# KiCad board q2.kicad_pcb (continued)
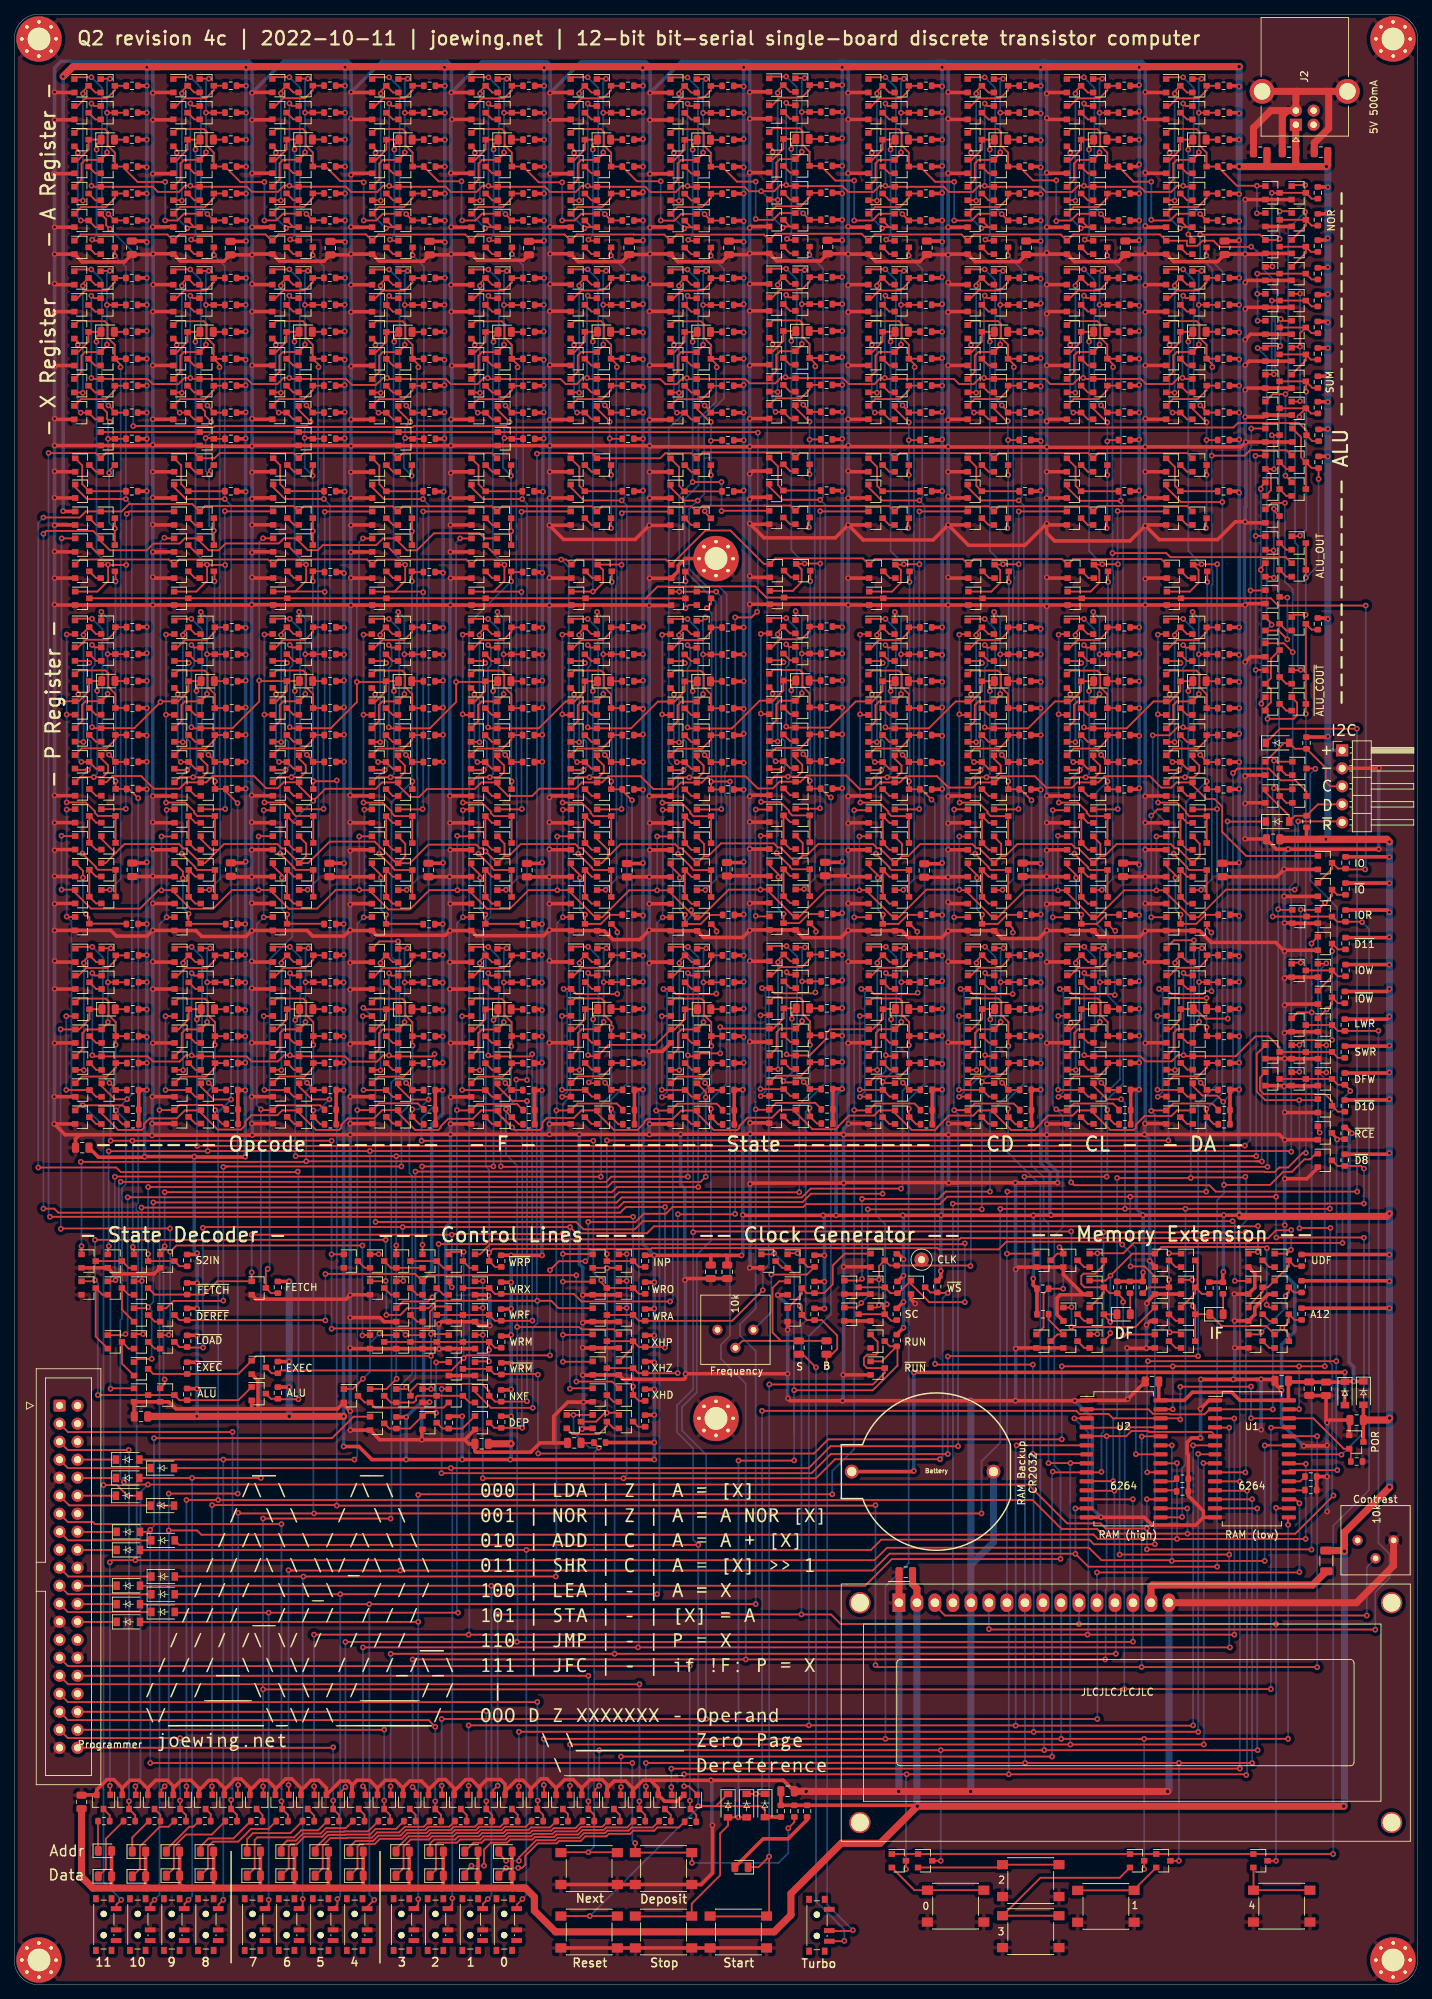
[diagram p0: board, top side]
## Routing (per net, layer and track width the routed paths; a pad name or vN(x,y) marks a point on that pad's centre or on a via; arc(x,y) is an arc through that point) (continued)
Net-(Q120-Pad2): length 2.1
  Top w0.25: Q121.3 25.54,179.16 Q120.2
Net-(Q122-Pad1): length 25.6
  Top w0.25: R54.2 Q128.3 28.29,172.64 v1(27.41,173.52) ; Q122.1 22.84,192.71 v1(24.99,192.71)
  Bottom w0.25: v1(24.99,192.71) 26.47,191.23 26.47,174.46 v1(27.41,173.52)
Net-(Q123-Pad2): length 2.1
  Top w0.25: Q126.3 25.54,186.76 Q123.2
Net-(Q124-Pad2): length 2.1
  Top w0.25: Q127.3 25.54,175.36 Q124.2
Net-(Q124-Pad3): length 8.8
  Top w0.25: Q129.1 23.54,174.41 27.04,174.41 28.29,175.66 Q124.3 R52.2
Net-(Q125-Pad2): length 14
  Top w0.25: Q128.2 25.54,171.56 Q129.3 v1(23.49,172.51) ; Q125.2 23.07,182.48 v1(23.07,182.06)
  Bottom w0.25: v1(23.07,182.06) 23.07,172.93 v1(23.49,172.51)
Net-(Q130-Pad1): length 22.6
  Top w0.25: R57.2 Q134.3 v1(27.22,141.42) ; 26.33,146.17 26.38,146.22 v1(27.62,146.22) ; Q138.1 23.62,131.97 23.62,134.26 24.14,134.77 Q131.1 27.22,135.67 v1(27.22,135.82)
  Bottom w0.25: v1(27.22,135.82) v1(27.22,141.42) 27.22,145.82 v1(27.62,146.22)
Net-(Q130-Pad2): length 19.8
  Top w0.25: Q130.2 25.58,144.27 Q133.3 23.83,144.42 v1(23.83,144.12) ; v1(23.83,129.02) 23.77,129.07 Q138.2
  Bottom w0.25: v1(23.83,129.02) v1(23.83,144.12)
Net-(Q130-Pad3): length 8.8
  Top w0.25: Q137.1 23.08,142.37 24.15,143.45 27.2,143.45 28.33,144.57 Q130.3 R55.2
Net-(Q131-Pad2): length 2.1
  Top w0.25: Q132.3 25.58,132.87 Q131.2
Net-(Q133-Pad1): length 25.6
  Top w0.25: R60.2 Q139.3 28.33,126.35 v1(27.44,127.24) ; 22.62,146.17 22.88,146.42 v1(25.02,146.42)
  Bottom w0.25: v1(25.02,146.42) 26.5,144.95 26.5,128.18 v1(27.44,127.24)
Net-(Q134-Pad2): length 2.1
  Top w0.25: Q137.3 25.58,140.47 Q134.2
Net-(Q135-Pad2): length 2.1
  Top w0.25: Q138.3 25.58,129.07 Q135.2
Net-(Q135-Pad3): length 8.8
  Top w0.25: 22.62,127.17 23.58,128.12 27.08,128.12 28.33,129.37 Q135.3 R58.2
Net-(Q136-Pad2): length 17.1
  Top w0.25: Q139.2 25.58,125.27 Q140.3 21.37,126.22 v1(21.35,126.25) ; Q136.2 22.6,136.65 v1(21.35,136.65)
  Bottom w0.25: v1(21.35,126.25) v1(21.35,136.65)
Net-(Q141-Pad2): length 2.1
  Top w0.25: Q141.2 39.5,121.45 Q142.3
Net-(Q143-Pad2): length 2.1
  Top w0.25: Q143.2 39.37,244.17 Q144.3
Net-(Q145-Pad1): length 22.6
  Top w0.25: v1(41.02,258.52) 41.02,258.37 Q146.1 37.94,257.47 37.42,256.95 37.42,254.67 Q153.1 ; v1(41.42,268.92) 40.17,268.92 Q145.1 ; v1(41.02,264.12) Q149.3 R66.2
  Bottom w0.25: v1(41.42,268.92) 41.02,268.52 v1(41.02,264.12) v1(41.02,258.52)
Net-(Q145-Pad2): length 19.8
  Top w0.25: v1(37.62,266.82) 37.62,267.12 Q148.3 39.37,266.97 Q145.2 ; Q153.2 37.57,251.77 v1(37.62,251.72)
  Bottom w0.25: v1(37.62,251.72) v1(37.62,266.82)
Net-(Q145-Pad3): length 8.8
  Top w0.25: R64.2 Q145.3 42.12,267.27 41,266.14 37.95,266.14 36.87,265.07 Q152.1
Net-(Q146-Pad2): length 2.1
  Top w0.25: Q146.2 39.37,255.57 Q147.3
Net-(Q148-Pad1): length 25.6
  Top w0.25: v1(41.22,249.82) Q154.3 R69.2 ; v1(38.82,269.12) 36.67,269.12 Q148.1
  Bottom w0.25: v1(41.22,249.82) 40.3,250.74 40.3,267.64 v1(38.82,269.12)
Net-(Q149-Pad2): length 2.1
  Top w0.25: Q149.2 39.37,263.17 Q152.3
Net-(Q150-Pad2): length 2.1
  Top w0.25: Q150.2 39.37,251.77 Q153.3
Net-(Q150-Pad3): length 8.8
  Top w0.25: R67.2 Q150.3 42.12,252.07 40.87,250.82 37.37,250.82 Q155.1
Net-(Q151-Pad2): length 16.3
  Top w0.25: v1(38.37,247.81) 38.53,247.97 Q154.2 39.37,247.97 Q155.3 ; v1(36.9,258.47) 36.9,258.89 Q151.2
  Bottom w0.25: v1(38.37,247.81) 36.9,249.28 v1(36.9,258.47)
Net-(Q156-Pad2): length 2
  Top w0.25: Q156.2 39.48,198.46 Q161.3
Net-(Q158-Pad2): length 2
  Top w0.25: Q158.2 39.48,202.16 Q162.3
Net-(Q159-Pad2): length 2
  Top w0.25: Q159.2 39.48,205.96 Q163.3
Net-(Q160-Pad2): length 2
  Top w0.25: Q160.2 39.48,213.46 Q164.3
Net-(Q164-Pad1): length 10.7
  Top w0.25: Q164.1 37.53,214.36 37.53,211.71 Q166.3 R71.2
Net-(Q167-Pad1): length 22.6
  Top w0.25: v1(41.01,231.4) 41.01,231.25 Q168.1 37.93,230.35 37.41,229.83 37.41,227.55 Q175.1 ; v1(41.41,241.8) 40.16,241.8 Q167.1 ; v1(41.01,237) Q171.3 R74.2
  Bottom w0.25: v1(41.41,241.8) 41.01,241.4 v1(41.01,237) v1(41.01,231.4)
Net-(Q167-Pad2): length 19.8
  Top w0.25: v1(37.61,239.7) 37.61,240 Q170.3 39.36,239.85 Q167.2 ; Q175.2 37.56,224.65 v1(37.61,224.6)
  Bottom w0.25: v1(37.61,224.6) v1(37.61,239.7)
Net-(Q167-Pad3): length 8.8
  Top w0.25: R72.2 Q167.3 42.11,240.15 40.99,239.02 37.94,239.02 36.86,237.95 Q174.1
Net-(Q168-Pad2): length 2.1
  Top w0.25: Q168.2 39.36,228.45 Q169.3
Net-(Q170-Pad1): length 25.6
  Top w0.25: v1(41.23,222.81) 42.11,221.93 Q176.3 R77.2 ; v1(38.81,242) 36.66,242 Q170.1
  Bottom w0.25: v1(41.23,222.81) 40.29,223.75 40.29,240.52 v1(38.81,242)
Net-(Q171-Pad2): length 2.1
  Top w0.25: Q171.2 39.36,236.05 Q174.3
Net-(Q172-Pad2): length 2.1
  Top w0.25: Q172.2 39.36,224.65 Q175.3
Net-(Q172-Pad3): length 8.8
  Top w0.25: R75.2 Q172.3 42.11,224.95 40.86,223.7 37.36,223.7 Q177.1
Net-(Q173-Pad2): length 14
  Top w0.25: v1(36.89,231.35) 36.89,231.77 Q173.2 ; v1(37.31,221.8) Q177.3 39.36,220.85 Q176.2
  Bottom w0.25: v1(37.31,221.8) 36.89,222.22 v1(36.89,231.35)
Net-(Q178-Pad2): length 2.1
  Top w0.25: Q179.3 39.44,167.74 Q178.2
Net-(Q180-Pad2): length 8
  Top w0.25: Q180.2 39.44,156.34 Q185.3 Q184.3 39.44,152.54 Q181.2
Net-(Q182-Pad2): length 8
  Top w0.25: Q183.2 39.44,163.94 Q187.3 Q186.3 39.44,160.14 Q182.2
Net-(Q185-Pad1): length 14.6
  Top w0.25: 43.72,149.64 43.66,149.69 Q188.3 38.5,149.7 v1(38.5,151) ; Q185.1 36.49,157.85 37.77,156.58 v1(37.77,156.2)
  Bottom w0.25: v1(38.5,151) 37.77,151.73 v1(37.77,156.2)
Net-(Q189-Pad1): length 23.9
  Top w0.25: R81.2 Q193.3 v1(41.06,187.72) ; 40.21,192.52 Q189.1 40.19,192.49 v1(40.19,193.69) ; Q197.1 37.46,178.27 37.46,180.55 37.98,181.07 Q190.1 41.06,181.97 v1(41.06,182.12)
  Bottom w0.25: v1(41.06,182.12) v1(41.06,187.72) 41.06,192.82 v1(40.19,193.69)
Net-(Q189-Pad2): length 19.8
  Top w0.25: Q189.2 39.41,190.57 Q192.3 37.66,190.72 v1(37.66,190.42) ; v1(37.66,175.32) 37.61,175.37 Q197.2
  Bottom w0.25: v1(37.66,175.32) v1(37.66,190.42)
Net-(Q189-Pad3): length 8.8
  Top w0.25: Q196.1 36.91,188.67 37.99,189.74 41.04,189.74 42.16,190.87 Q189.3 R79.2
Net-(Q190-Pad2): length 2.1
  Top w0.25: Q191.3 39.41,179.17 Q190.2
Net-(Q192-Pad1): length 25.6
  Top w0.25: R84.2 Q198.3 42.16,172.65 v1(41.28,173.53) ; Q192.1 36.71,192.72 v1(38.86,192.72)
  Bottom w0.25: v1(38.86,192.72) 40.34,191.24 40.34,174.47 v1(41.28,173.53)
Net-(Q193-Pad2): length 2.1
  Top w0.25: Q196.3 39.41,186.77 Q193.2
Net-(Q194-Pad2): length 2.1
  Top w0.25: Q197.3 39.41,175.37 Q194.2
Net-(Q194-Pad3): length 8.8
  Top w0.25: Q199.1 37.41,174.42 40.91,174.42 42.16,175.67 Q194.3 R82.2
Net-(Q195-Pad2): length 14
  Top w0.25: Q198.2 39.41,171.57 Q199.3 v1(37.36,172.52) ; Q195.2 36.94,182.49 v1(36.94,182.07)
  Bottom w0.25: v1(36.94,182.07) 36.94,172.94 v1(37.36,172.52)
Net-(Q200-Pad1): length 22.6
  Top w0.25: R87.2 Q204.3 v1(41.09,141.43) ; Q200.1 40.24,146.23 v1(41.49,146.23) ; Q208.1 37.49,131.98 37.49,134.27 38.01,134.78 Q201.1 41.09,135.68 v1(41.09,135.83)
  Bottom w0.25: v1(41.09,135.83) v1(41.09,141.43) 41.09,145.83 v1(41.49,146.23)
Net-(Q200-Pad2): length 19.8
  Top w0.25: 40.19,144.28 39.44,144.28 Q203.3 37.69,144.43 v1(37.69,144.13) ; v1(37.69,129.03) 37.64,129.08 Q208.2
  Bottom w0.25: v1(37.69,129.03) v1(37.69,144.13)
Net-(Q200-Pad3): length 8.8
  Top w0.25: Q207.1 36.94,142.38 38.02,143.46 41.07,143.46 42.19,144.58 Q200.3 R85.2
Net-(Q201-Pad2): length 2.1
  Top w0.25: Q202.3 39.44,132.88 Q201.2
Net-(Q203-Pad1): length 25.6
  Top w0.25: R90.2 Q209.3 42.19,126.36 v1(41.31,127.25) ; Q203.1 36.74,146.43 v1(38.89,146.43)
  Bottom w0.25: v1(38.89,146.43) 40.37,144.96 40.37,128.19 v1(41.31,127.25)
Net-(Q204-Pad2): length 2.1
  Top w0.25: Q207.3 39.44,140.48 Q204.2
Net-(Q205-Pad2): length 2.1
  Top w0.25: Q208.3 39.44,129.08 Q205.2
Net-(Q205-Pad3): length 8.8
  Top w0.25: Q210.1 37.44,128.13 40.94,128.13 42.19,129.38 Q205.3 R88.2
Net-(Q206-Pad2): length 17
  Top w0.25: 40.19,125.28 39.44,125.28 Q210.3 35.24,126.23 ; 36.49,136.68 36.47,136.66 35.22,136.66
  Bottom w0.25: 35.22,126.26 35.22,136.66
  vias: v1(35.2,136.66) v1(35.3,126.26)
Net-(Q211-Pad2): length 2
  Top w0.25: Q212.3 53.45,121.5 Q211.2
Net-(Q213-Pad2): length 2.1
  Top w0.25: Q213.2 53.45,244.15 Q214.3
Net-(Q215-Pad1): length 22.6
  Top w0.25: v1(55.1,258.5) 55.1,258.35 Q216.1 52.01,257.45 51.5,256.94 51.5,254.65 Q223.1 ; v1(55.5,268.9) 54.25,268.9 Q215.1 ; v1(55.1,264.1) Q219.3 R96.2
  Bottom w0.25: v1(55.5,268.9) 55.1,268.5 v1(55.1,264.1) v1(55.1,258.5)
Net-(Q215-Pad2): length 19.8
  Top w0.25: v1(51.7,266.8) 51.7,267.1 Q218.3 53.45,266.95 Q215.2 ; Q223.2 51.65,251.75 v1(51.7,251.7)
  Bottom w0.25: v1(51.7,251.7) v1(51.7,266.8)
Net-(Q215-Pad3): length 8.8
  Top w0.25: R94.2 Q215.3 56.2,267.25 55.08,266.13 52.03,266.13 50.95,265.05 Q222.1
Net-(Q216-Pad2): length 2.1
  Top w0.25: Q216.2 53.45,255.55 Q217.3
Net-(Q218-Pad1): length 25.6
  Top w0.25: v1(55.3,249.8) Q224.3 R99.2 ; v1(52.9,269.1) 50.75,269.1 Q218.1
  Bottom w0.25: v1(55.3,249.8) 54.37,250.73 54.37,267.63 v1(52.9,269.1)
Net-(Q219-Pad2): length 2.1
  Top w0.25: Q219.2 53.45,263.15 Q222.3
Net-(Q220-Pad2): length 2.1
  Top w0.25: Q220.2 53.45,251.75 Q223.3
Net-(Q220-Pad3): length 8.8
  Top w0.25: R97.2 Q220.3 56.2,252.05 54.95,250.8 51.45,250.8 Q225.1
Net-(Q221-Pad2): length 16.3
  Top w0.25: v1(52.45,247.79) 52.6,247.95 Q224.2 53.45,247.95 Q225.3 ; v1(50.97,258.45) 50.97,258.88 Q221.2
  Bottom w0.25: v1(52.45,247.79) 50.97,249.26 v1(50.97,258.45)
Net-(Q226-Pad2): length 2
  Top w0.25: Q226.2 53.46,198.44 Q231.3
Net-(Q228-Pad2): length 2
  Top w0.25: Q228.2 53.46,202.14 Q232.3
Net-(Q229-Pad2): length 2
  Top w0.25: Q229.2 53.46,205.94 Q233.3
Net-(Q230-Pad2): length 2
  Top w0.25: Q230.2 53.46,213.44 Q234.3
Net-(Q234-Pad1): length 10.7
  Top w0.25: Q234.1 51.51,214.34 51.51,211.69 Q236.3 R101.2
Net-(Q237-Pad1): length 22.6
  Top w0.25: v1(55.09,231.38) 55.09,231.23 Q238.1 52,230.33 51.49,229.82 51.49,227.53 Q245.1 ; v1(55.49,241.78) 54.24,241.78 Q237.1 ; v1(55.09,236.98) Q241.3 R104.2
  Bottom w0.25: v1(55.49,241.78) 55.09,241.38 v1(55.09,236.98) v1(55.09,231.38)
Net-(Q237-Pad2): length 19.8
  Top w0.25: v1(51.69,239.68) 51.69,239.98 Q240.3 53.44,239.83 Q237.2 ; Q245.2 51.64,224.63 v1(51.69,224.58)
  Bottom w0.25: v1(51.69,224.58) v1(51.69,239.68)
Net-(Q237-Pad3): length 8.8
  Top w0.25: R102.2 Q237.3 56.19,240.13 55.07,239.01 52.02,239.01 50.94,237.93 Q244.1
Net-(Q238-Pad2): length 2.1
  Top w0.25: Q238.2 53.44,228.43 Q239.3
Net-(Q240-Pad1): length 25.6
  Top w0.25: v1(55.31,222.79) 56.19,221.91 Q246.3 R107.2 ; v1(52.89,241.98) 50.74,241.98 Q240.1
  Bottom w0.25: v1(55.31,222.79) 54.36,223.73 54.36,240.51 v1(52.89,241.98)
Net-(Q241-Pad2): length 2.1
  Top w0.25: Q241.2 53.44,236.03 Q244.3
Net-(Q242-Pad2): length 2.1
  Top w0.25: Q242.2 53.44,224.63 Q245.3
Net-(Q242-Pad3): length 8.8
  Top w0.25: R105.2 Q242.3 56.19,224.93 54.94,223.68 51.44,223.68 Q247.1
Net-(Q243-Pad2): length 14
  Top w0.25: v1(50.97,231.33) 50.97,231.75 Q243.2 ; v1(51.39,221.78) Q247.3 53.44,220.83 Q246.2
  Bottom w0.25: v1(51.39,221.78) 50.97,222.2 v1(50.97,231.33)
Net-(Q248-Pad2): length 2.1
  Top w0.25: Q249.3 53.42,167.72 Q248.2
Net-(Q250-Pad2): length 8
  Top w0.25: Q250.2 53.42,156.32 Q255.3 Q254.3 53.42,152.52 Q251.2
Net-(Q252-Pad2): length 8
  Top w0.25: Q253.2 53.42,163.92 Q257.3 Q256.3 53.42,160.12 Q252.2
Net-(Q255-Pad1): length 14.6
  Top w0.25: R108.2 57.64,149.67 Q258.3 52.48,149.68 v1(52.48,150.98) ; v1(51.74,156.18) 51.74,156.56 50.47,157.84 Q255.1
  Bottom w0.25: v1(52.48,150.98) 51.74,151.72 v1(51.74,156.18)
Net-(Q259-Pad1): length 23.9
  Top w0.25: 57.72,187.7 Q263.3 v1(55.04,187.7) ; 54.19,192.5 Q259.1 54.17,192.48 v1(54.17,193.67) ; Q267.1 51.44,178.25 51.44,180.54 51.95,181.05 Q260.1 55.04,181.95 v1(55.04,182.1)
  Bottom w0.25: v1(55.04,182.1) v1(55.04,187.7) 55.04,192.8 v1(54.17,193.67)
Net-(Q259-Pad2): length 19.8
  Top w0.25: Q259.2 53.39,190.55 Q262.3 51.64,190.7 v1(51.64,190.4) ; v1(51.64,175.3) 51.59,175.35 Q267.2
  Bottom w0.25: v1(51.64,175.3) v1(51.64,190.4)
Net-(Q259-Pad3): length 8.8
  Top w0.25: Q266.1 50.89,188.65 51.97,189.73 55.02,189.73 56.14,190.85 Q259.3 57.72,191.5
Net-(Q260-Pad2): length 2.1
  Top w0.25: Q261.3 53.39,179.15 Q260.2
Net-(Q262-Pad1): length 25.6
  Top w0.25: 57.72,172.5 Q268.3 56.14,172.63 v1(55.26,173.51) ; Q262.1 50.69,192.7 v1(52.84,192.7)
  Bottom w0.25: v1(52.84,192.7) 54.31,191.23 54.31,174.45 v1(55.26,173.51)
Net-(Q263-Pad2): length 2.1
  Top w0.25: Q266.3 53.39,186.75 Q263.2
Net-(Q264-Pad2): length 2.1
  Top w0.25: Q267.3 53.39,175.35 Q264.2
Net-(Q264-Pad3): length 8.8
  Top w0.25: Q269.1 51.39,174.4 54.89,174.4 56.14,175.65 Q264.3 57.72,176.3
Net-(Q265-Pad2): length 14
  Top w0.25: Q268.2 53.39,171.55 Q269.3 v1(51.34,172.5) ; Q265.2 50.91,182.47 v1(50.91,182.05)
  Bottom w0.25: v1(50.91,182.05) 50.91,172.92 v1(51.34,172.5)
Net-(Q270-Pad1): length 22.6
  Top w0.25: R117.2 Q274.3 v1(55.07,141.42) ; Q270.1 54.22,146.22 v1(55.47,146.22) ; Q278.1 51.47,131.97 51.47,134.25 51.99,134.77 Q271.1 55.07,135.67 v1(55.07,135.82)
  Bottom w0.25: v1(55.07,135.82) v1(55.07,141.42) 55.07,145.82 v1(55.47,146.22)
Net-(Q270-Pad2): length 19.8
  Top w0.25: Q270.2 53.42,144.27 Q273.3 51.67,144.42 v1(51.67,144.12) ; v1(51.67,129.02) 51.62,129.07 Q278.2
  Bottom w0.25: v1(51.67,129.02) v1(51.67,144.12)
Net-(Q270-Pad3): length 8.8
  Top w0.25: Q277.1 50.92,142.37 52,143.44 55.05,143.44 56.17,144.57 Q270.3 R115.2
Net-(Q271-Pad2): length 2.1
  Top w0.25: Q272.3 53.42,132.87 Q271.2
Net-(Q273-Pad1): length 27.5
  Top w0.25: R120.2 Q279.3 56.17,126.34 v1(55.29,127.23) ; v1(54.15,147.2) 51.5,147.2 Q273.1
  Bottom w0.25: v1(55.29,127.23) 54.35,128.17 54.35,147 v1(54.15,147.2)
Net-(Q274-Pad2): length 2.1
  Top w0.25: Q277.3 53.42,140.47 Q274.2
Net-(Q275-Pad2): length 2.1
  Top w0.25: Q278.3 53.42,129.07 Q275.2
Net-(Q275-Pad3): length 8.8
  Top w0.25: Q280.1 51.42,128.12 54.92,128.12 56.17,129.37 Q275.3 R118.2
Net-(Q276-Pad2): length 17
  Top w0.25: Q279.2 53.42,125.27 Q280.3 49.22,126.22 ; Q276.2 50.44,136.64 49.2,136.64
  Bottom w0.25: 49.2,126.24 49.2,136.64
  vias: v1(49.18,136.64) v1(49.28,126.24)
Net-(Q281-Pad2): length 2.1
  Top w0.25: Q281.2 67.4,121.45 Q282.3
Net-(Q283-Pad2): length 2.1
  Top w0.25: Q283.2 67.45,244.15 Q284.3
Net-(Q285-Pad1): length 22.6
  Top w0.25: v1(69.1,258.5) 69.1,258.35 Q286.1 66.01,257.45 65.5,256.94 65.5,254.65 Q293.1 ; v1(69.5,268.9) 68.25,268.9 Q285.1 ; v1(69.1,264.1) Q289.3 R126.2
  Bottom w0.25: v1(69.5,268.9) 69.1,268.5 v1(69.1,264.1) v1(69.1,258.5)
Net-(Q285-Pad2): length 19.8
  Top w0.25: v1(65.7,266.8) 65.7,267.1 Q288.3 67.45,266.95 Q285.2 ; Q293.2 65.65,251.75 v1(65.7,251.7)
  Bottom w0.25: v1(65.7,251.7) v1(65.7,266.8)
Net-(Q285-Pad3): length 8.8
  Top w0.25: R124.2 Q285.3 70.2,267.25 69.08,266.13 66.03,266.13 64.95,265.05 Q292.1
Net-(Q286-Pad2): length 2.1
  Top w0.25: Q286.2 67.45,255.55 Q287.3
Net-(Q288-Pad1): length 25.6
  Top w0.25: v1(69.3,249.8) Q294.3 R129.2 ; v1(66.9,269.1) 64.75,269.1 Q288.1
  Bottom w0.25: v1(69.3,249.8) 68.37,250.73 68.37,267.63 v1(66.9,269.1)
Net-(Q289-Pad2): length 2.1
  Top w0.25: Q289.2 67.45,263.15 Q292.3
Net-(Q290-Pad2): length 2.1
  Top w0.25: Q290.2 67.45,251.75 Q293.3
Net-(Q290-Pad3): length 8.8
  Top w0.25: R127.2 Q290.3 70.2,252.05 68.95,250.8 65.45,250.8 Q295.1
Net-(Q291-Pad2): length 16.3
  Top w0.25: v1(66.45,247.79) 66.6,247.95 Q294.2 67.45,247.95 Q295.3 ; v1(64.97,258.45) 64.97,258.88 Q291.2
  Bottom w0.25: v1(66.45,247.79) 64.97,249.26 v1(64.97,258.45)
Net-(Q296-Pad2): length 2
  Top w0.25: Q296.2 67.46,198.44 Q301.3
Net-(Q298-Pad2): length 2
  Top w0.25: Q298.2 67.46,202.14 Q302.3
Net-(Q299-Pad2): length 2
  Top w0.25: Q299.2 67.46,205.94 Q303.3
Net-(Q300-Pad2): length 2
  Top w0.25: Q300.2 67.46,213.44 Q304.3
Net-(Q304-Pad1): length 10.7
  Top w0.25: Q304.1 65.51,214.34 65.51,211.69 Q306.3 R131.2
Net-(Q307-Pad1): length 22.6
  Top w0.25: v1(69.09,231.38) 69.09,231.23 Q308.1 66,230.33 65.49,229.82 65.49,227.53 Q315.1 ; v1(69.49,241.78) 68.24,241.78 Q307.1 ; v1(69.09,236.98) Q311.3 R134.2
  Bottom w0.25: v1(69.49,241.78) 69.09,241.38 v1(69.09,236.98) v1(69.09,231.38)
Net-(Q307-Pad2): length 19.8
  Top w0.25: v1(65.69,239.68) 65.69,239.98 Q310.3 67.44,239.83 Q307.2 ; Q315.2 65.64,224.63 v1(65.69,224.58)
  Bottom w0.25: v1(65.69,224.58) v1(65.69,239.68)
Net-(Q307-Pad3): length 8.8
  Top w0.25: R132.2 Q307.3 70.19,240.13 69.07,239.01 66.02,239.01 64.94,237.93 Q314.1
Net-(Q308-Pad2): length 2.1
  Top w0.25: Q308.2 67.44,228.43 Q309.3
Net-(Q310-Pad1): length 25.6
  Top w0.25: v1(69.31,222.79) 70.19,221.91 Q316.3 R137.2 ; v1(66.89,241.98) 64.74,241.98 Q310.1
  Bottom w0.25: v1(69.31,222.79) 68.36,223.73 68.36,240.51 v1(66.89,241.98)
Net-(Q311-Pad2): length 2.1
  Top w0.25: Q311.2 67.44,236.03 Q314.3
Net-(Q312-Pad2): length 2.1
  Top w0.25: Q312.2 67.44,224.63 Q315.3
Net-(Q312-Pad3): length 8.8
  Top w0.25: R135.2 Q312.3 70.19,224.93 68.94,223.68 65.44,223.68 Q317.1
Net-(Q313-Pad2): length 14
  Top w0.25: v1(64.97,231.33) 64.97,231.75 Q313.2 ; v1(65.39,221.78) Q317.3 67.44,220.83 Q316.2
  Bottom w0.25: v1(65.39,221.78) 64.97,222.2 v1(64.97,231.33)
Net-(Q318-Pad2): length 2.1
  Top w0.25: Q319.3 67.42,167.72 Q318.2
Net-(Q320-Pad2): length 8
  Top w0.25: Q320.2 67.42,156.32 Q325.3 Q324.3 67.42,152.52 Q321.2
Net-(Q322-Pad2): length 8
  Top w0.25: Q323.2 67.42,163.92 Q327.3 Q326.3 67.42,160.12 Q322.2
Net-(Q325-Pad1): length 14.6
  Top w0.25: R138.2 71.64,149.67 Q328.3 66.48,149.68 v1(66.48,150.98) ; v1(65.74,156.18) 65.74,156.56 64.47,157.84 Q325.1
  Bottom w0.25: v1(66.48,150.98) 65.74,151.72 v1(65.74,156.18)
Net-(Q329-Pad1): length 23.9
  Top w0.25: 71.72,187.7 Q333.3 v1(69.04,187.7) ; 68.19,192.5 Q329.1 68.17,192.48 v1(68.17,193.67) ; Q337.1 65.44,178.25 65.44,180.54 65.95,181.05 Q330.1 69.04,181.95 v1(69.04,182.1)
  Bottom w0.25: v1(69.04,182.1) v1(69.04,187.7) 69.04,192.8 v1(68.17,193.67)
Net-(Q329-Pad2): length 19.8
  Top w0.25: Q329.2 67.39,190.55 Q332.3 65.64,190.7 v1(65.64,190.4) ; v1(65.64,175.3) 65.59,175.35 Q337.2
  Bottom w0.25: v1(65.64,175.3) v1(65.64,190.4)
Net-(Q329-Pad3): length 8.8
  Top w0.25: Q336.1 64.89,188.65 65.97,189.73 69.02,189.73 70.14,190.85 Q329.3 71.72,191.5
Net-(Q330-Pad2): length 2.1
  Top w0.25: Q331.3 67.39,179.15 Q330.2
Net-(Q332-Pad1): length 25.6
  Top w0.25: 71.72,172.5 Q338.3 70.14,172.63 v1(69.26,173.51) ; Q332.1 64.69,192.7 v1(66.84,192.7)
  Bottom w0.25: v1(66.84,192.7) 68.31,191.23 68.31,174.45 v1(69.26,173.51)
Net-(Q333-Pad2): length 2.1
  Top w0.25: Q336.3 67.39,186.75 Q333.2
Net-(Q334-Pad2): length 2.1
  Top w0.25: Q337.3 67.39,175.35 Q334.2
Net-(Q334-Pad3): length 8.8
  Top w0.25: Q339.1 65.39,174.4 68.89,174.4 70.14,175.65 Q334.3 71.72,176.3
Net-(Q335-Pad2): length 14
  Top w0.25: Q338.2 67.39,171.55 Q339.3 v1(65.34,172.5) ; Q335.2 64.91,182.47 v1(64.91,182.05)
  Bottom w0.25: v1(64.91,182.05) 64.91,172.92 v1(65.34,172.5)
Net-(Q340-Pad1): length 22.6
  Top w0.25: R147.2 Q344.3 v1(69.07,141.42) ; Q340.1 68.22,146.22 v1(69.47,146.22) ; Q348.1 65.47,131.97 65.47,134.25 65.99,134.77 Q341.1 69.07,135.67 v1(69.07,135.82)
  Bottom w0.25: v1(69.07,135.82) v1(69.07,141.42) 69.07,145.82 v1(69.47,146.22)
Net-(Q340-Pad2): length 19.8
  Top w0.25: Q340.2 67.42,144.27 Q343.3 65.67,144.42 v1(65.67,144.12) ; v1(65.67,129.02) 65.62,129.07 Q348.2
  Bottom w0.25: v1(65.67,129.02) v1(65.67,144.12)
Net-(Q340-Pad3): length 8.8
  Top w0.25: Q347.1 64.92,142.37 66,143.44 69.05,143.44 70.17,144.57 Q340.3 R145.2
Net-(Q341-Pad2): length 2.1
  Top w0.25: Q342.3 67.42,132.87 Q341.2
Net-(Q343-Pad1): length 25.6
  Top w0.25: R150.2 Q349.3 70.17,126.34 v1(69.29,127.23) ; Q343.1 64.72,146.42 v1(66.87,146.42)
  Bottom w0.25: v1(66.87,146.42) 68.35,144.94 68.35,128.17 v1(69.29,127.23)
Net-(Q344-Pad2): length 2.1
  Top w0.25: Q347.3 67.42,140.47 Q344.2
Net-(Q345-Pad2): length 2.1
  Top w0.25: Q348.3 67.42,129.07 Q345.2
Net-(Q345-Pad3): length 8.8
  Top w0.25: Q350.1 65.42,128.12 68.92,128.12 70.17,129.37 Q345.3 R148.2
Net-(Q346-Pad2): length 17.1
  Top w0.25: Q349.2 67.42,125.27 Q350.3 63.22,126.22 v1(63.2,126.24) ; Q346.2 63.22,136.67 v1(63.2,136.64)
  Bottom w0.25: v1(63.2,126.24) v1(63.2,136.64)
Net-(Q351-Pad2): length 2.1
  Top w0.25: Q352.3 109.45,121.55 Q351.2
Net-(Q354-Pad2): length 2.1
  Top w0.25: Q355.3 109.45,244.25 Q354.2
Net-(Q356-Pad1): length 22.6
  Top w0.25: R156.2 Q360.3 v1(111.1,264.2) ; Q356.1 110.25,269 v1(111.5,269) ; Q364.1 107.5,254.75 107.5,257.04 108.01,257.55 Q357.1 111.1,258.45 v1(111.1,258.6)
  Bottom w0.25: v1(111.1,258.6) v1(111.1,264.2) 111.1,268.6 v1(111.5,269)
Net-(Q356-Pad2): length 19.8
  Top w0.25: Q356.2 109.45,267.05 Q359.3 107.7,267.2 v1(107.7,266.9) ; v1(107.7,251.8) 107.65,251.85 Q364.2
  Bottom w0.25: v1(107.7,251.8) v1(107.7,266.9)
Net-(Q356-Pad3): length 8.8
  Top w0.25: Q363.1 106.95,265.15 108.03,266.23 111.08,266.23 112.2,267.35 Q356.3 R154.2
Net-(Q357-Pad2): length 2.1
  Top w0.25: Q358.3 109.45,255.65 Q357.2
Net-(Q359-Pad1): length 25.6
  Top w0.25: R159.2 Q365.3 v1(111.3,249.9) ; Q359.1 106.75,269.2 v1(108.9,269.2)
  Bottom w0.25: v1(108.9,269.2) 110.37,267.73 110.37,250.83 v1(111.3,249.9)
Net-(Q360-Pad2): length 2.1
  Top w0.25: Q363.3 109.45,263.25 Q360.2
Net-(Q361-Pad2): length 2.1
  Top w0.25: Q364.3 109.45,251.85 Q361.2
Net-(Q361-Pad3): length 8.8
  Top w0.25: Q366.1 107.45,250.9 110.95,250.9 112.2,252.15 Q361.3 R157.2
Net-(Q362-Pad2): length 16.3
  Top w0.25: Q366.3 109.45,248.05 Q365.2 108.6,248.05 v1(108.45,247.89) ; Q362.2 106.98,258.97 v1(106.98,258.55)
  Bottom w0.25: v1(106.98,258.55) 106.98,249.36 v1(108.45,247.89)
Net-(Q367-Pad2): length 2.1
  Top w0.25: Q368.3 109.48,167.82 Q367.2
Net-(Q369-Pad2): length 8
  Top w0.25: Q369.2 109.48,156.42 Q374.3 Q373.3 109.48,152.62 Q370.2
Net-(Q371-Pad2): length 8
  Top w0.25: Q372.2 109.48,164.02 Q376.3 Q375.3 109.48,160.22 Q371.2
Net-(Q374-Pad1): length 15.2
  Top w0.25: v1(107.8,156.28) 107.8,156.66 106.53,157.94 Q374.1 ; v1(108.54,151.08) 108.54,149.78 Q377.3 110.76,149.77 112.04,151.05 113.77,151.05
  Bottom w0.25: v1(108.54,151.08) 107.8,151.82 v1(107.8,156.28)
Net-(Q378-Pad1): length 23.9
  Top w0.25: R163.2 Q382.3 v1(111.1,187.8) ; 110.25,192.6 Q378.1 110.23,192.58 v1(110.23,193.77) ; Q386.1 107.5,178.35 107.5,180.64 108.01,181.15 Q379.1 111.1,182.05 v1(111.1,182.2)
  Bottom w0.25: v1(111.1,182.2) v1(111.1,187.8) 111.1,192.9 v1(110.23,193.77)
Net-(Q378-Pad2): length 19.8
  Top w0.25: Q378.2 109.45,190.65 Q381.3 107.7,190.8 v1(107.7,190.5) ; v1(107.7,175.4) 107.65,175.45 Q386.2
  Bottom w0.25: v1(107.7,175.4) v1(107.7,190.5)
Net-(Q378-Pad3): length 8.8
  Top w0.25: Q385.1 106.95,188.75 108.03,189.83 111.08,189.83 112.2,190.95 Q378.3 R161.2
Net-(Q379-Pad2): length 2.1
  Top w0.25: Q380.3 109.45,179.25 Q379.2
Net-(Q381-Pad1): length 25.6
  Top w0.25: R166.2 Q387.3 112.2,172.73 v1(111.32,173.61) ; Q381.1 106.75,192.8 v1(108.9,192.8)
  Bottom w0.25: v1(108.9,192.8) 110.37,191.33 110.37,174.55 v1(111.32,173.61)
Net-(Q382-Pad2): length 2.1
  Top w0.25: Q385.3 109.45,186.85 Q382.2
Net-(Q383-Pad2): length 2.1
  Top w0.25: Q386.3 109.45,175.45 Q383.2
Net-(Q383-Pad3): length 8.8
  Top w0.25: Q388.1 107.45,174.5 110.95,174.5 112.2,175.75 Q383.3 R164.2
Net-(Q384-Pad2): length 14
  Top w0.25: Q387.2 109.45,171.65 Q388.3 v1(107.4,172.6) ; Q384.2 106.98,182.57 v1(106.98,182.15)
  Bottom w0.25: v1(106.98,182.15) 106.98,173.02 v1(107.4,172.6)
Net-(Q389-Pad2): length 2.1
  Top w0.25: Q392.3 109.55,198.55 Q389.2
Net-(Q390-Pad2): length 2.1
  Top w0.25: Q393.3 109.45,206.05 Q390.2
Net-(Q391-Pad2): length 2.1
  Top w0.25: Q394.3 109.45,213.55 Q391.2
Net-(Q394-Pad1): length 10.8
  Top w0.25: R168.2 Q396.3 107.72,211.58 107.72,214.23 Q394.1
Net-(Q397-Pad1): length 22.6
  Top w0.25: R171.2 Q401.3 v1(111.1,237.1) ; Q397.1 110.25,241.9 v1(111.5,241.9) ; Q405.1 107.5,227.65 107.5,229.94 108.01,230.45 Q398.1 111.1,231.35 v1(111.1,231.5)
  Bottom w0.25: v1(111.1,231.5) v1(111.1,237.1) 111.1,241.5 v1(111.5,241.9)
Net-(Q397-Pad2): length 19.8
  Top w0.25: Q397.2 109.45,239.95 Q400.3 107.7,240.1 v1(107.7,239.8) ; v1(107.7,224.7) 107.65,224.75 Q405.2
  Bottom w0.25: v1(107.7,224.7) v1(107.7,239.8)
Net-(Q397-Pad3): length 8.8
  Top w0.25: Q404.1 106.95,238.05 108.03,239.13 111.08,239.13 112.2,240.25 Q397.3 R169.2
Net-(Q398-Pad2): length 2.1
  Top w0.25: Q399.3 109.45,228.55 Q398.2
Net-(Q400-Pad1): length 25.6
  Top w0.25: R174.2 Q406.3 112.2,222.03 v1(111.32,222.91) ; Q400.1 106.75,242.1 v1(108.9,242.1)
  Bottom w0.25: v1(108.9,242.1) 110.37,240.63 110.37,223.85 v1(111.32,222.91)
Net-(Q401-Pad2): length 2.1
  Top w0.25: Q404.3 109.45,236.15 Q401.2
Net-(Q402-Pad2): length 2.1
  Top w0.25: Q405.3 109.45,224.75 Q402.2
Net-(Q402-Pad3): length 8.8
  Top w0.25: Q407.1 107.45,223.8 110.95,223.8 112.2,225.05 Q402.3 R172.2
Net-(Q403-Pad2): length 14
  Top w0.25: Q406.2 109.45,220.95 Q407.3 v1(107.4,221.9) ; Q403.2 106.98,231.87 v1(106.98,231.45)
  Bottom w0.25: v1(106.98,231.45) 106.98,222.32 v1(107.4,221.9)
Net-(Q408-Pad1): length 22.6